# Altium PCB DemetrioGurgel - PCEIoT.PcbDoc (part 1 of 3) (continued)
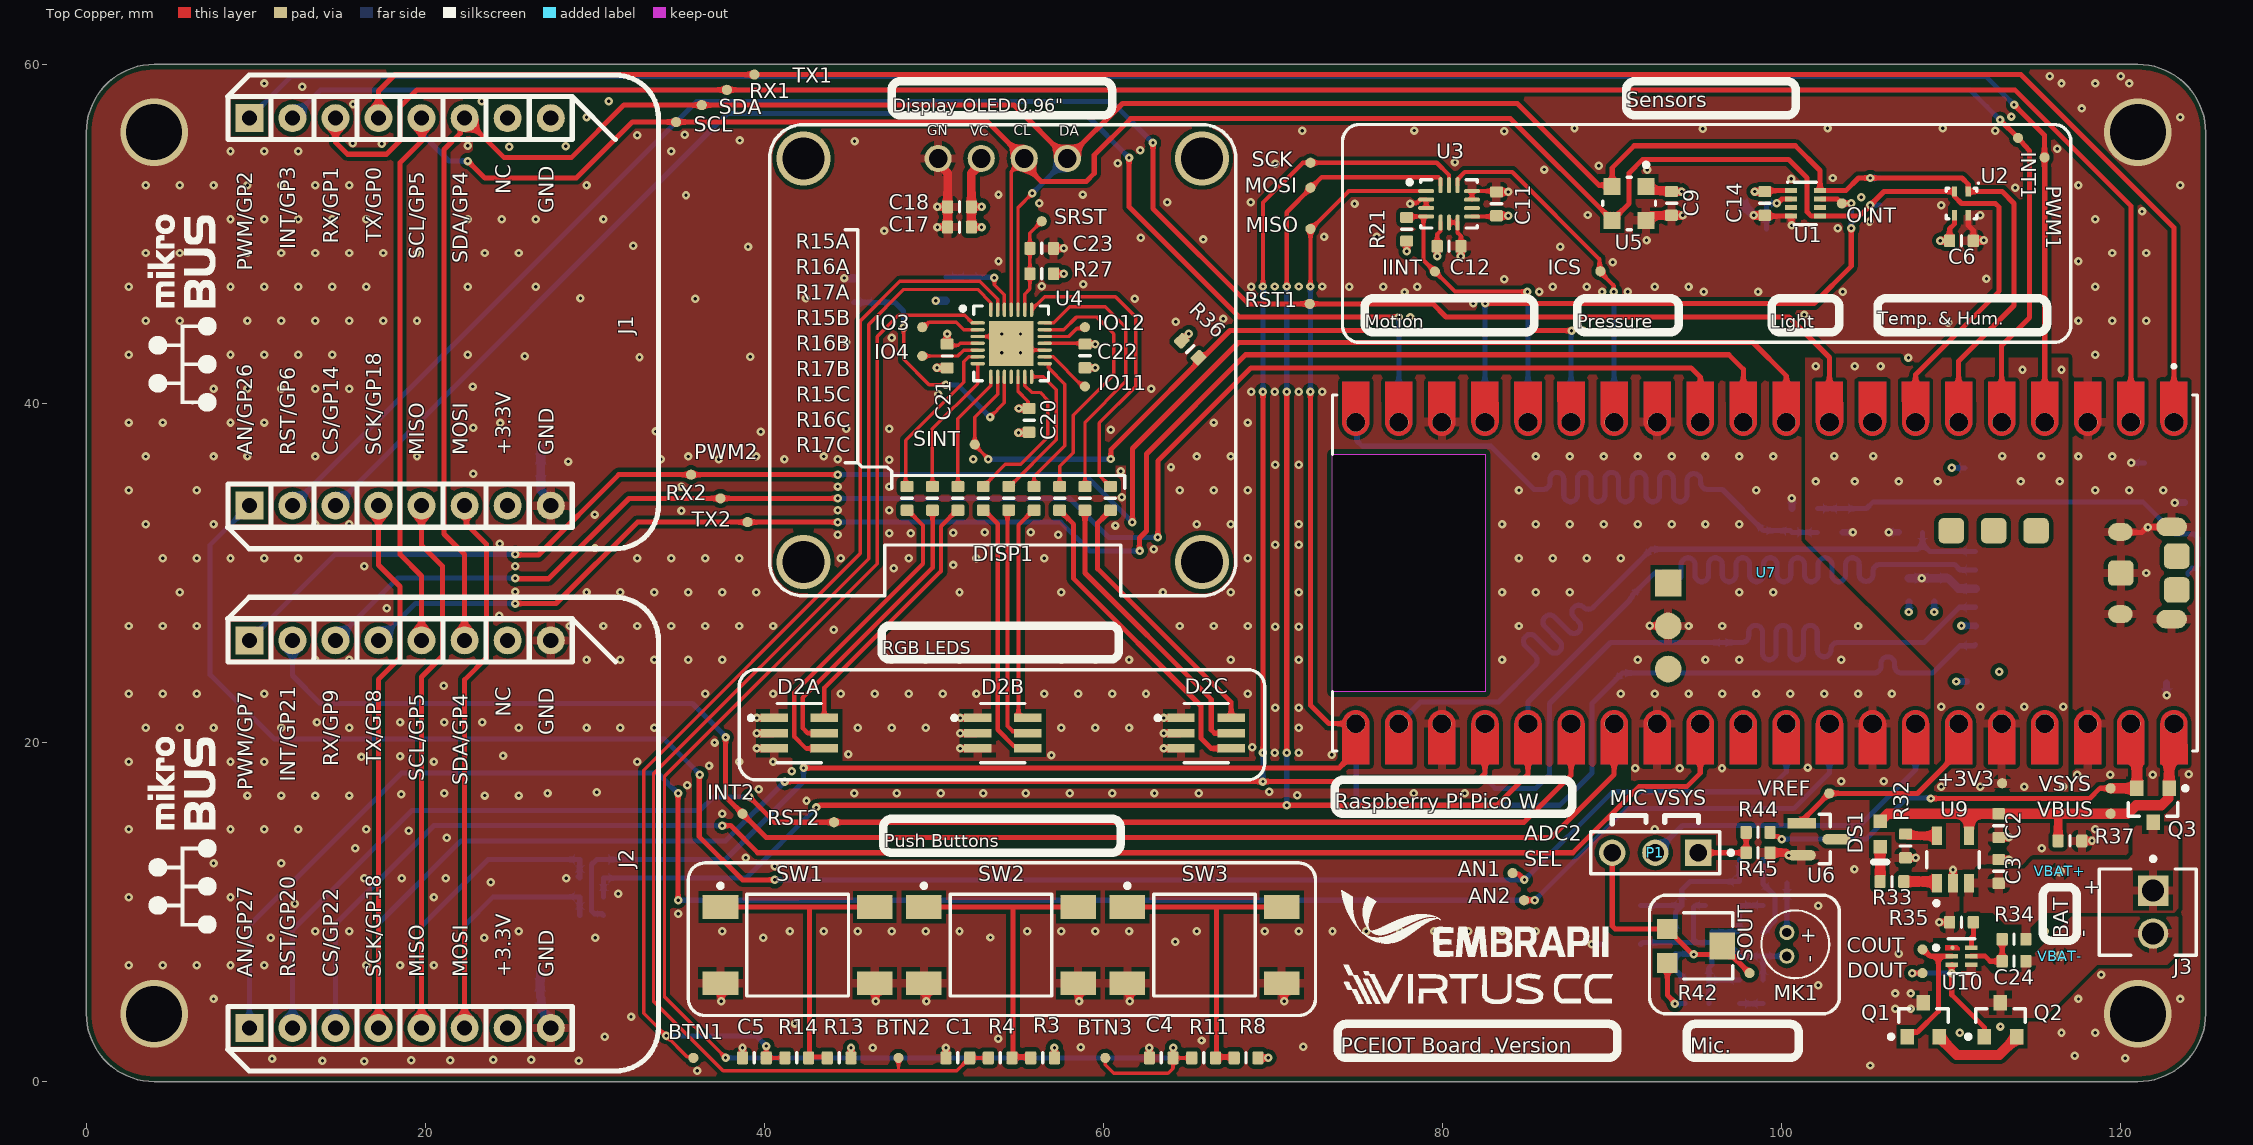
[diagram p0: Top Copper view]
## Components (designator, comment, footprint, x,y, rotation, side; value= is the part's Value field where it differs from the comment)
+3V3 "TPAD6R" TP06R 113,17.6 r270 top
AN1 "TPAD6R" TP06R 84.124,12.3 r90 top
AN2 "TPAD6R" TP06R 84.8,10.7 r90 top
BTN1 "TPAD6R" TP06R 35.8,1.4 r90 top
BTN2 "TPAD6R" TP06R 47.9,1.4 r90 top
BTN3 "TPAD6R" TP06R 60.1,1.4 r90 top
C1 "VJ0603Y103KXAAC" CAPC0603(1608)100_L 51.4,1.4 r0 top value=10nF
C2 "Capacitor 4.7µF +/-20% 10V 0603" CAPC0603(1608)100_L 112.8,15.1 r270 top value=4.7µF
C3 "Capacitor 4.7µF +/-20% 10V 0603" CAPC0603(1608)100_L 112.801,12.4 r90 top value=4.7µF
C4 "VJ0603Y103KXAAC" CAPC0603(1608)100_L 63.4,1.4 r0 top value=10nF
C5 "VJ0603Y103KXAAC" CAPC0603(1608)100_L 39.4,1.4 r0 top value=10nF
C6 "VJ0603Y104MXJCW1BC" CAPC0603(1608)100_L 110.6,49.6 r0 top value=100nF
C7 "VJ0603Y104MXJCW1BC" CAPC0603(1608)100_L 98.9,8.1 r90 bottom value=100nF
C9 "VJ0603Y104MXJCW1BC" CAPC0603(1608)100_L 93.5,51.8 r270 top value=100nF
C11 "VJ0603Y104MXJCW1BC" CAPC0603(1608)100_L 83.175,51.775 r270 top value=100nF
C12 "VJ0603Y104MXJCW1BC" CAPC0603(1608)100_L 80.375,49.275 r180 top value=100nF
C13 "VJ0603Y104MXJCW1BC" CAPC0603(1608)100_L 94.8,10.4 r0 bottom value=100nF
C14 "VJ0603Y104MXJCW1BC" CAPC0603(1608)100_L 98.997,51.8 r270 top value=100nF
C15 "VJ0603Y104MXJCW1BC" CAPC0603(1608)100_L 107.5,29 r270 bottom value=100nF
C16 "VJ0603Y104MXJCW1BC" CAPC0603(1608)100_L 109,29 r270 bottom value=100nF
C17 "VJ0603Y104MXJCW1BC" CAPC0603(1608)100_L 51.5,50.4 r180 top value=100nF
C18 "VJ0603Y104MXJCW1BC" CAPC0603(1608)100_L 51.5,51.6 r180 top value=100nF
C19 "VJ0603Y103KXAAC" CAPC0603(1608)100_L 100.6,33.1 r270 bottom value=10nF
C20 "VJ0603Y104MXJCW1BC" CAPC0603(1608)100_L 55.604,39.004 r270 top value=100nF
C21 "VJ0603Y104MXJCW1BC" CAPC0603(1608)100_L 50.771,42.8 r270 top value=100nF
C22 "VJ0603Y104MXJCW1BC" CAPC0603(1608)100_L 58.904,42.804 r270 top value=100nF
C23 "VJ0603Y104MXJCW1BC" CAPC0603(1608)100_L 56.35,49.15 r0 top value=100nF
C24 "VJ0603Y104MXJCW1BC" CAPC0603(1608)100_L 113.7,7.1 r180 top value=100nF
C25 "VJ0603Y104MXJCW1BC" CAPC0603(1608)100_L 26.1,36.1 r0 bottom value=100nF
C26 "VJ0603Y104MXJCW1BC" CAPC0603(1608)100_L 26.1,37.4 r0 bottom value=100nF
C27 "VJ0603Y104MXJCW1BC" CAPC0603(1608)100_L 26.062,6.439 r0 bottom value=100nF
C28 "VJ0603Y104MXJCW1BC" CAPC0603(1608)100_L 26.062,5.003 r0 bottom value=100nF
C29 "VJ0603Y104MXJCW1BC" CAPC0603(1608)100_L 99.6,10.4 r0 bottom value=100nF
C30 "C0603C101K5GACTU" CAPC0603(1608)100_L 95,6 r180 bottom value=100pF
C31 "GRM188R60J106ME47D" CAPC0603(1608)100_L 98.9,5.3 r270 bottom value=10uF
CLK "TPAD6R" TP06R 96.52,25.9 r90 bottom
COUT "TPAD6R" TP06R 108.3,7.8 r270 top
CS "TPAD6R" TP06R 92.3,31.4 r90 bottom
D2A "ASMT-YTB7-0AA02" FP-PLCC-6-MFG 42.05,20.55 r0 top locked (schematic designator D2)
D2B "ASMT-YTB7-0AA02" FP-PLCC-6-MFG 54.05,20.55 r0 top locked (schematic designator D2)
D2C "ASMT-YTB7-0AA02" FP-PLCC-6-MFG 66.05,20.55 r0 top locked (schematic designator D2)
DI "TPAD6R" TP06R 91.2,28.7 r180 bottom
DISP1 "0.96” Display Module" "New footprint 1"#1 54.05,54.45 r0 top
DO "TPAD6R" TP06R 90.6,24.1 r90 bottom
DOUT "TPAD6R" TP06R 108.3,6.4 r90 top
DS1 "19-217/R6C-AL1M2VY/3T" EVRL-0603-2_V 105.8,14.6 r270 top
DT "TPAD6R" TP06R 98.926,32.499 r90 bottom
ICS "TPAD6R" TP06R 89.3,47.8 r90 top
IINT "TPAD6R" TP06R 79.541,47.784 r90 top
INT1 "TPAD6R" TP06R 113.934,55.666 r90 top
INT2 "TPAD6R" TP06R 38.7,15.8 r90 top
IO3 "TPAD6R" TP06R 49.3,44.5 r90 top
IO4 "TPAD6R" TP06R 49.3,42.8 r90 top
IO11 "TPAD6R" TP06R 58.9,41 r90 top
IO12 "TPAD6R" TP06R 58.9,44.5 r90 top
J1 "MikroBus Connector" "New footprint 1"#2 18.5,45.4 r90 top locked
J2 "MikroBus Connector" "New footprint 1"#2 18.5,14.6 r90 top locked
J3 "640456-2" TECO-640456-2_V 121.9,10 r90 top
L1 "BLM21PG331SN1D" INDC2013X105X50ML20T20 90.7,10.4 r180 bottom
L2 "BLM21PG331SN1D" INDC2013X105X50ML20T20 90.7,8.1 r180 bottom
MISO "TPAD6R" TP06R 72.2,50.3 r180 top
MK1 "CMEJ-0415-42-LP" MIC_CMEJ-0415-42-LP 100.8,8.1 r270 top
MOSI "TPAD6R" TP06R 72.2,52.725 r0 top
NT1 "Net Tie" "New footprint 1"#3 77.412,21.113 r45 bottom net-tie
NT2 "Net Tie" "New footprint 1"#3 82.5,19.57 r270 bottom net-tie
NT3 "Net Tie" "New footprint 1"#3 85.027,21.118 r90 bottom net-tie
NT4 "Net Tie" "New footprint 1"#3 74.9,19.6 r270 bottom net-tie
OINT "TPAD6R" TP06R 103.543,51.8 r90 top
P1 "22-28-4033" MOLX-22-28-4033_V 92.54,13.5 r180 top
PWM1 "TPAD6R" TP06R 115.5,54.516 r90 top
PWM2 "TPAD6R" TP06R 35.664,35.8 r90 top
Q1 "NTRV4101PT1G" ONSC-SOT-23-3-318-08_V 108.35,3.65 r90 top
Q2 "NTRV4101PT1G" ONSC-SOT-23-3-318-08_V 112.9,3.65 r90 top
Q3 "NTRV4101PT1G" ONSC-SOT-23-3-318-08_V 121.9,16.3 r270 top
R1 "Resistor 1k +/-1% 0603 100 mW" RESC0603(1608)_L 98.2,13.1 r180 bottom value=1k
R2 "Resistor 10k +/-1% 0603 100 mW" RESC0603(1608)_L 107.6,32.4 r180 bottom value=10k
R3 "Resistor 10k +/-1% 0603 100 mW" RESC0603(1608)_L 56.4,1.4 r0 top value=10k
R4 "Resistor 10k +/-1% 0603 100 mW" RESC0603(1608)_L 53.9,1.4 r180 top value=10k
R5 "Resistor 0R +/- 5% 0603 100 mW" RESC0603(1608)_L 29.8,13.1 r180 bottom value=0
R6 "Resistor 0R +/- 5% 0603 100 mW" RESC0603(1608)_L 29.8,12 r180 bottom value=0
R7 "Resistor 0R +/- 5% 0603 100 mW" RESC0603(1608)_L 29.8,9.8 r180 bottom value=0
R8 "Resistor 10k +/-1% 0603 100 mW" RESC0603(1608)_L 68.4,1.4 r0 top value=10k
R9 "Resistor 0R +/- 5% 0603 100 mW" RESC0603(1608)_L 29.8,10.9 r180 bottom value=0
R10 "Resistor 0R +/- 5% 0603 100 mW" RESC0603(1608)_L 98.35,50.3 r0 bottom value=0
R11 "Resistor 10k +/-1% 0603 100 mW" RESC0603(1608)_L 65.9,1.4 r180 top value=10k
R12 "Resistor 10k +/-1% 0603 100 mW" RESC0603(1608)_L 102.697,51.8 r0 bottom value=10k
R13 "Resistor 10k +/-1% 0603 100 mW" RESC0603(1608)_L 44.4,1.4 r0 top value=10k
R14 "Resistor 10k +/-1% 0603 100 mW" RESC0603(1608)_L 41.9,1.4 r180 top value=10k
R15A "CRCW0603150RFKEA" RESC0603(1608)_L 48.404,34.404 r90 top value=150R (schematic designator R15)
R15B "CRCW0603150RFKEA" RESC0603(1608)_L 52.904,34.404 r90 top value=150R (schematic designator R15)
R15C "CRCW0603150RFKEA" RESC0603(1608)_L 57.404,34.404 r90 top value=150R (schematic designator R15)
R16A "CRCW060350R0FKEA" RESC0603(1608)_L 49.904,34.404 r90 top value=50R (schematic designator R16)
R16B "CRCW060350R0FKEA" RESC0603(1608)_L 54.404,34.404 r90 top value=50R (schematic designator R16)
R16C "CRCW060350R0FKEA" RESC0603(1608)_L 58.904,34.404 r90 top value=50R (schematic designator R16)
R17A "CRCW060350R0FKEA" RESC0603(1608)_L 51.404,34.404 r90 top value=50R (schematic designator R17)
R17B "CRCW060350R0FKEA" RESC0603(1608)_L 55.904,34.404 r90 top value=50R (schematic designator R17)
R17C "CRCW060350R0FKEA" RESC0603(1608)_L 60.404,34.404 r90 top value=50R (schematic designator R17)
R18 "Resistor 10k +/-1% 0603 100 mW" RESC0603(1608)_L 103.6,33.1 r270 bottom value=10k
R19 "Resistor 0R +/- 5% 0603 100 mW" RESC0603(1608)_L 52.103,46.762 r90 bottom value=0
R20 "Resistor 0R +/- 5% 0603 100 mW" RESC0603(1608)_L 98.35,51.8 r180 bottom value=0
R21 "Resistor 10k +/-1% 0603 100 mW" RESC0603(1608)_L 77.875,50.275 r90 top value=10k
R22 "Resistor 10k +/-1% 0603 100 mW" RESC0603(1608)_L 106.497,51.7 r0 bottom value=10k
R23 "Resistor 10k +/-1% 0603 100 mW" RESC0603(1608)_L 106.497,53.3 r0 bottom value=10k
R24 "Resistor 0R +/- 5% 0603 100 mW" RESC0603(1608)_L 46.7,46.7 r270 bottom value=0
R26 "Resistor 10k +/-1% 0603 100 mW" RESC0603(1608)_L 102.1,33.1 r90 bottom value=10k
R27 "Resistor 10k +/-1% 0603 100 mW" RESC0603(1608)_L 56.35,47.65 r0 top value=10k
R30 "Resistor 0R +/- 5% 0603 100 mW" RESC0603(1608)_L 50.703,46.762 r270 bottom value=0
R31 "Resistor 0R +/- 5% 0603 100 mW" RESC0603(1608)_L 45.3,46.7 r90 bottom value=0
R32 "ERJ-3EKF2001V" RESC0603(1608)_L 107.3,13.9 r90 top value=2kR
R33 "CRCW0603470RJNEA" RESC0603(1608)_L 106.5,11.8 r180 top value=470R
R34 "ERJ-3EKF3300V" RESC0603(1608)_L 113.7,8.4 r0 top value=330R
R35 "CRCW06032K20FKEA" RESC0603(1608)_L 110.6,9.4 r0 top value=2.2kR
R36 "Resistor 10k +/-1% 0603 100 mW" RESC0603(1608)_L 65.1,43.2 r135 top value=10k
R37 "Resistor 10k +/-1% 0603 100 mW" RESC0603(1608)_L 117,14.2 r0 top value=10k
R38 "Resistor 1k +/-1% 0603 100 mW" RESC0603(1608)_L 99.6,11.7 r180 bottom value=1k
R39 "Resistor 100k +/-1% 0603 100 mW" RESC0603(1608)_L 97.5,11.1 r90 bottom value=100k
R40 "Resistor 100k +/-1% 0603 100 mW" RESC0603(1608)_L 97.5,8.1 r90 bottom value=100k
R41 "Resistor 1k +/-1% 0603 100 mW" RESC0603(1608)_L 97.5,5.3 r90 bottom value=1k
R42 "TC33X-2-104E" FP-TC33X-2-MFG 94.925,8 r270 top value=100kR
R43 "CRCW06032K20FKEA" RESC0603(1608)_L 95,4.6 r180 bottom value=2.2kR
R44 "Resistor 10k +/-1% 0603 100 mW" RESC0603(1608)_L 98.6,14.7 r0 top value=10k
R45 "Resistor 1k +/-1% 0603 100 mW" RESC0603(1608)_L 98.6,13.5 r180 top value=1k
RST1 "TPAD6R" TP06R 72.161,45.875 r180 top
RST2 "TPAD6R" TP06R 44.1,15.3 r90 top
RX1 "TPAD6R" TP06R 37.778,58.5 r90 top
RX2 "TPAD6R" TP06R 37.4,34.4 r90 top
SCK "TPAD6R" TP06R 72.2,54.2 r180 top
SCL "TPAD6R" TP06R 34.783,56.6 r90 top
SDA "TPAD6R" TP06R 36.294,57.6 r90 top
SINT "TPAD6R" TP06R 52.4,37.581 r90 top
SKT1 "5033981892" MOLX-5033981892_V 117.7,30 r270 bottom locked
SOUT "TPAD6R" TP06R 98.1,6.4 r270 top
SRST "TPAD6R" TP06R 56.35,50.75 r90 top
SW1 "FSM4JSMA" TECO-FSM4JSMA_V 41.95,8.05 r90 top
SW2 "FSM4JSMA" TECO-FSM4JSMA_V 53.95,8.05 r90 top
SW3 "FSM4JSMA" TECO-FSM4JSMA_V 65.95,8.05 r90 top
TX1 "TPAD6R" TP06R 39.4,59.4 r90 top
TX2 "TPAD6R" TP06R 38.999,33 r90 top
U1 "OPT4001DTSR" SON50P130X60-8N 101.397,51.8 r0 top
U2 "SHT40I-AD1B-R3" QFN80P150X150X55-4N 110.6,51.8 r270 top
U3 "ICM-42670-P" QFN50P300X250X81-14N 80.375,51.775 r0 top
U4 "SX1509BIULTRT" QFN40P410X410X60_HS-29N 54.55,43.55 r0 top locked
U5 "MS563702BA03-50" FP-MS563702BA03-50-MFG 91,51.8 r270 top
U6 "LM4040DYM3-2.5-TR" FP-SOT23-3LD-PL-1-IPC_A 102.2,14.3 r0 top
U7 "SC0918" MODULE_SC0918 74.872,38.893 r270 top locked
U8 "MAX4466EXK-T" SOT65P200X110-5N 94.8,8.2 r180 bottom
U9 "MCP73831T-2ACI/OT" FP-C04-091-OT-MFG 110.1,13.1 r90 top
U10 "BQ29700DSER" FP-DSE0006A-MFG 110.6,7.4 r0 top
VBAT+ "TPAD6R" TP06R 116.4,12.4 r90 top
VBAT- "TPAD6R" TP06R 116.4,7.4 r90 top
VBUS "TPAD6R" TP06R 119.4,15.8 r90 top
VREF "TPAD6R" TP06R 102.8,17 r90 top
VSYS "TPAD6R" TP06R 119.4,17.3 r90 top

## Footprints (in the part's own frame and the unit in brackets; to place one, negate y for a bottom-side part, rotate by r counter-clockwise, add the part's x,y. Pads: shape width x height; smd on the part's side, far side on the other; paste and mask are expansions set on the pad)
CAPC0603(1608)100_L [mm] "Chip Capacitor, Body 1.6x0.8mm, Height 1.0mm, IPC High Density"
  rrect25% 0.66x0.76 smd: 1(-0.7,0) 2(0.7,0)
  silkscreen extent 0,-0.3 0,0.3, body extent -0.8,-0.4 0.8,0.4, height 0.95
EVRL-0603-2_V [mm] "SMD, 2-Leads, Body 1.6x0.8mm"
  rect 0.8x0.8 smd: 1(-0.75,0) 2(0.75,0)
  silkscreen extent 1.65,-0.4 1.65,0.4, body extent -0.8,-0.4 0.8,0.4, height 0.5
FP-C04-091-OT-MFG [mm]
  rect 1.1x0.6 smd paste+0 mask+0: 1(-1.4,0.95) 2(-1.4,0) 3(-1.4,-0.95) 4(1.4,-0.95) 5(1.4,0.95)
  silkscreen extent -2.7,-1.55 0.48,1.55, body extent -1.6,-1.55 1.6,1.55, height 1.45
FP-DSE0006A-MFG [mm]
  round 0.252 smd paste-1000 mask+0: 1(-0.525,0.5)
  rect 0.75x0.28 smd paste-1000 mask+0: 2(-0.575,0) 3(-0.575,-0.5) 4(0.575,-0.5) 5(0.575,0) 6(0.575,0.5)
  Top Copper region: -0.95,0.64 -0.24,0.64 -0.1,0.5 -0.1,0.36 -0.95,0.36
  silkscreen extent -1.62,-1.02 0.77,1.02, body extent -1.05,-0.88 1.05,0.87, height 0.25
FP-MS563702BA03-50-MFG [mm]
  rect 1x1 smd paste+0 mask+0.001: 1(-1,1) 2(-1,-1) 3(1,-1) 4(1,1)
  silkscreen extent -2.4,-1.55 1.55,1.55, body extent -1.65,-1.65 1.65,1.65, height 0.25
FP-PLCC-6-MFG [mm]
  rect 1.6x0.5 smd paste+0 mask+0.05: 1(-1.475,0.9) 2(-1.475,0) 3(-1.475,-0.9) 4(1.475,-0.9) 5(1.475,0) 6(1.475,0.9)
  silkscreen extent -2.97,-1.75 1.3,1.75, body extent -2.37,-1.6 2.37,1.6, height 0.25
FP-SOT23-3LD-PL-1-IPC_A [mm]
  rect 1.684x0.627 smd paste+0 mask+0: 1(-1.03,0.95)
  rrect100% 1.684x0.627 smd paste+0 mask+0: 2(-1.03,-0.95) 3(1.03,0)
  silkscreen extent 0,-1.46 0.65,1.46, body extent -2.37,-1.96 2.37,1.96, height 0.25
FP-TC33X-2-MFG [mm]
  rect 1.2x1.2 smd paste+0 mask+0: 1(-1,-1.675) 3(1,-1.675)
  rect 1.6x1.5 smd paste+0 mask+0: 2(0,1.575)
  silkscreen extent -1.95,-0.7 1.95,2.17, body extent -1.8,-1.9 1.8,1.9, height 1.5
INDC2013X105X50ML20T20 [mm] "Chip Inductor, 2-Leads, Body 2.2x1.45mm, IPC Low Density"
  rect 1.33x1.57 smd: 1(-0.985,0) 2(0.985,0)
  body extent -1.1,-0.72 1.1,0.72, height 1.05
MIC_CMEJ-0415-42-LP [mm]
  round 0.9 hole 0.55: N(0.7,-0.5) P(-0.7,-0.5)
  silkscreen extent -2,-2 2,2, body extent -2,-2 2,2, height 1.88
MODULE_SC0918 [mm]
  round 1.125 hole 1.1 paste+0: 1(0,48.26) 2(0,45.72) 3(0,43.18) 4(0,40.64) 5(0,38.1) 6(0,35.56) 7(0,33.02) 8(0,30.48) 9(0,27.94) 10(0,25.4) 11(0,22.86) 12(0,20.32) 13(0,17.78) 14(0,15.24) 15(0,12.7) 16(0,10.16) 17(0,7.62) 18(0,5.08) 19(0,2.54) 20(0,0) 21(17.78,0) 22(17.78,2.54) 23(17.78,5.08) 24(17.78,7.62) 25(17.78,10.16) 26(17.78,12.7) 27(17.78,15.24) 28(17.78,17.78) 29(17.78,20.32) 30(17.78,22.86) 31(17.78,25.4) 32(17.78,27.94) 33(17.78,30.48) 34(17.78,33.02) 35(17.78,35.56) 36(17.78,38.1) 37(17.78,40.64) 38(17.78,43.18) 39(17.78,45.72) 40(17.78,48.26)
  oval 1.1x1.8 smd: A(6.168,48.128) B(11.618,48.128)
  oval 1.05x1.45 smd: C(6.468,45.098) D(11.318,45.098)
  rect 1.575x1.575 smd: E(9.477,18.428)
  round 1.575 smd: F(12.017,18.428) G(14.557,18.428)
  rrect40% 1.5x1.5 smd: TP1(8.893,45.128) TP2(9.893,48.428) TP3(7.893,48.428) TP4(6.393,40.128) TP5(6.393,37.628) TP6(6.393,35.128)
  Top Copper region: 0,32.22 -2.397,32.218 -2.397,33.818 0,33.82 0.306,33.759 0.566,33.586 0.739,33.326 0.8,33.02 0.8,33.02 0.739,32.714 0.566,32.454 0.306,32.281 0,32.22
  Top Copper region: 17.78,38.9 20.177,38.902 20.177,37.302 17.78,37.3 17.474,37.361 17.214,37.534 17.041,37.794 16.98,38.1 16.98,38.1 17.041,38.406 17.214,38.666 17.474,38.839 17.78,38.9
  Top Copper region: 0,34.76 -2.397,34.758 -2.397,36.358 0,36.36 0.306,36.299 0.566,36.126 0.739,35.866 0.8,35.56 0.8,35.56 0.739,35.254 0.566,34.994 0.306,34.821 0,34.76
  Top Copper region: 17.78,13.5 20.177,13.502 20.177,11.902 17.78,11.9 17.474,11.961 17.214,12.134 17.041,12.394 16.98,12.7 16.98,12.7 17.041,13.006 17.214,13.266 17.474,13.439 17.78,13.5
  Top Copper region: 17.78,10.96 20.177,10.962 20.177,9.362 17.78,9.36 17.474,9.421 17.214,9.594 17.041,9.854 16.98,10.16 16.98,10.16 17.041,10.466 17.214,10.726 17.474,10.899 17.78,10.96
  Top Copper region: 17.78,8.42 20.177,8.422 20.177,6.822 17.78,6.82 17.474,6.881 17.214,7.054 17.041,7.314 16.98,7.62 16.98,7.62 17.041,7.926 17.214,8.186 17.474,8.359 17.78,8.42
  Top Copper region: 17.78,5.88 20.177,5.882 20.177,4.282 17.78,4.28 17.474,4.341 17.214,4.514 17.041,4.774 16.98,5.08 16.98,5.08 17.041,5.386 17.214,5.646 17.474,5.819 17.78,5.88
  Top Copper region: 17.78,3.34 20.177,3.342 20.177,1.742 17.78,1.74 17.474,1.801 17.214,1.974 17.041,2.234 16.98,2.54 16.98,2.54 17.041,2.846 17.214,3.106 17.474,3.279 17.78,3.34
  Top Copper region: 0,-0.8 -2.397,-0.802 -2.397,0.798 0,0.8 0.306,0.739 0.566,0.566 0.739,0.306 0.8,0 0.8,0 0.739,-0.306 0.566,-0.566 0.306,-0.739 0,-0.8
  Top Copper region: 0,1.74 -2.397,1.738 -2.397,3.338 0,3.34 0.306,3.279 0.566,3.106 0.739,2.846 0.8,2.54 0.8,2.54 0.739,2.234 0.566,1.974 0.306,1.801 0,1.74
  Top Copper region: 0,4.28 -2.397,4.278 -2.397,5.878 0,5.88 0.306,5.819 0.566,5.646 0.739,5.386 0.8,5.08 0.8,5.08 0.739,4.774 0.566,4.514 0.306,4.341 0,4.28
  Top Copper region: 0,6.82 -2.397,6.818 -2.397,8.418 0,8.42 0.306,8.359 0.566,8.186 0.739,7.926 0.8,7.62 0.8,7.62 0.739,7.314 0.566,7.054 0.306,6.881 0,6.82
  Top Copper region: 0,9.36 -2.397,9.358 -2.397,10.958 0,10.96 0.306,10.899 0.566,10.726 0.739,10.466 0.8,10.16 0.8,10.16 0.739,9.854 0.566,9.594 0.306,9.421 0,9.36
  Top Copper region: 0,11.9 -2.397,11.898 -2.397,13.498 0,13.5 0.306,13.439 0.566,13.266 0.739,13.006 0.8,12.7 0.8,12.7 0.739,12.394 0.566,12.134 0.306,11.961 0,11.9
  Top Copper region: 0,14.44 -2.397,14.438 -2.397,16.038 0,16.04 0.306,15.979 0.566,15.806 0.739,15.546 0.8,15.24 0.8,15.24 0.739,14.934 0.566,14.674 0.306,14.501 0,14.44
  Top Copper region: 0,16.98 -2.397,16.978 -2.397,18.578 0,18.58 0.306,18.519 0.566,18.346 0.739,18.086 0.8,17.78 0.8,17.78 0.739,17.474 0.566,17.214 0.306,17.041 0,16.98
  Top Copper region: 0,19.52 -2.397,19.518 -2.397,21.118 0,21.12 0.306,21.059 0.566,20.886 0.739,20.626 0.8,20.32 0.8,20.32 0.739,20.014 0.566,19.754 0.306,19.581 0,19.52
  Top Copper region: 0,22.06 -2.397,22.058 -2.397,23.658 0,23.66 0.306,23.599 0.566,23.426 0.739,23.166 0.8,22.86 0.8,22.86 0.739,22.554 0.566,22.294 0.306,22.121 0,22.06
  Top Copper region: 0,24.6 -2.397,24.598 -2.397,26.198 0,26.2 0.306,26.139 0.566,25.966 0.739,25.706 0.8,25.4 0.8,25.4 0.739,25.094 0.566,24.834 0.306,24.661 0,24.6
  Top Copper region: 0,27.14 -2.397,27.138 -2.397,28.738 0,28.74 0.306,28.679 0.566,28.506 0.739,28.246 0.8,27.94 0.8,27.94 0.739,27.634 0.566,27.374 0.306,27.201 0,27.14
  Top Copper region: 0,29.68 -2.397,29.678 -2.397,31.278 0,31.28 0.306,31.219 0.566,31.046 0.739,30.786 0.8,30.48 0.8,30.48 0.739,30.174 0.566,29.914 0.306,29.741 0,29.68
  Top Copper region: 0,37.3 -2.397,37.298 -2.397,38.898 0,38.9 0.306,38.839 0.566,38.666 0.739,38.406 0.8,38.1 0.8,38.1 0.739,37.794 0.566,37.534 0.306,37.361 0,37.3
  Top Copper region: 0,39.84 -2.397,39.838 -2.397,41.438 0,41.44 0.306,41.379 0.566,41.206 0.739,40.946 0.8,40.64 0.8,40.64 0.739,40.334 0.566,40.074 0.306,39.901 0,39.84
  Top Copper region: 0,42.38 -2.397,42.378 -2.397,43.978 0,43.98 0.306,43.919 0.566,43.746 0.739,43.486 0.8,43.18 0.8,43.18 0.739,42.874 0.566,42.614 0.306,42.441 0,42.38
  Top Copper region: 0,44.92 -2.397,44.918 -2.397,46.518 0,46.52 0.306,46.459 0.566,46.286 0.739,46.026 0.8,45.72 0.8,45.72 0.739,45.414 0.566,45.154 0.306,44.981 0,44.92
  Top Copper region: 17.78,16.04 20.177,16.042 20.177,14.442 17.78,14.44 17.474,14.501 17.214,14.674 17.041,14.934 16.98,15.24 16.98,15.24 17.041,15.546 17.214,15.806 17.474,15.979 17.78,16.04
  Top Copper region: 17.78,18.58 20.177,18.582 20.177,16.982 17.78,16.98 17.474,17.041 17.214,17.214 17.041,17.474 16.98,17.78 16.98,17.78 17.041,18.086 17.214,18.346 17.474,18.519 17.78,18.58
  Top Copper region: 17.78,21.12 20.177,21.122 20.177,19.522 17.78,19.52 17.474,19.581 17.214,19.754 17.041,20.014 16.98,20.32 16.98,20.32 17.041,20.626 17.214,20.886 17.474,21.059 17.78,21.12
  Top Copper region: 17.78,23.66 20.177,23.662 20.177,22.062 17.78,22.06 17.474,22.121 17.214,22.294 17.041,22.554 16.98,22.86 16.98,22.86 17.041,23.166 17.214,23.426 17.474,23.599 17.78,23.66
  Top Copper region: 17.78,26.2 20.177,26.202 20.177,24.602 17.78,24.6 17.474,24.661 17.214,24.834 17.041,25.094 16.98,25.4 16.98,25.4 17.041,25.706 17.214,25.966 17.474,26.139 17.78,26.2
  Top Copper region: 17.78,28.74 20.177,28.742 20.177,27.142 17.78,27.14 17.474,27.201 17.214,27.374 17.041,27.634 16.98,27.94 16.98,27.94 17.041,28.246 17.214,28.506 17.474,28.679 17.78,28.74
  Top Copper region: 17.78,31.28 20.177,31.282 20.177,29.682 17.78,29.68 17.474,29.741 17.214,29.914 17.041,30.174 16.98,30.48 16.98,30.48 17.041,30.786 17.214,31.046 17.474,31.219 17.78,31.28
  Top Copper region: 17.78,33.82 20.177,33.822 20.177,32.222 17.78,32.22 17.474,32.281 17.214,32.454 17.041,32.714 16.98,33.02 16.98,33.02 17.041,33.326 17.214,33.586 17.474,33.759 17.78,33.82
  Top Copper region: 17.78,36.36 20.177,36.362 20.177,34.762 17.78,34.76 17.474,34.821 17.214,34.994 17.041,35.254 16.98,35.56 16.98,35.56 17.041,35.866 17.214,36.126 17.474,36.299 17.78,36.36
  Top Copper region: 17.78,41.44 20.177,41.442 20.177,39.842 17.78,39.84 17.474,39.901 17.214,40.074 17.041,40.334 16.98,40.64 16.98,40.64 17.041,40.946 17.214,41.206 17.474,41.379 17.78,41.44
  Top Copper region: 17.78,43.98 20.177,43.982 20.177,42.382 17.78,42.38 17.474,42.441 17.214,42.614 17.041,42.874 16.98,43.18 16.98,43.18 17.041,43.486 17.214,43.746 17.474,43.919 17.78,43.98
  Top Copper region: 17.78,46.52 20.177,46.522 20.177,44.922 17.78,44.92 17.474,44.981 17.214,45.154 17.041,45.414 16.98,45.72 16.98,45.72 17.041,46.026 17.214,46.286 17.474,46.459 17.78,46.52
  Top Copper region: 17.78,49.06 20.177,49.062 20.177,47.462 17.78,47.46 17.474,47.521 17.214,47.694 17.041,47.954 16.98,48.26 16.98,48.26 17.041,48.566 17.214,48.826 17.474,48.999 17.78,49.06
  Top Copper region: 17.78,0.8 20.177,0.802 20.177,-0.798 17.78,-0.8 17.474,-0.739 17.214,-0.566 17.041,-0.306 16.98,0 16.98,0 17.041,0.306 17.214,0.566 17.474,0.739 17.78,0.8
  Top Copper region: 0,47.46 -2.397,47.458 -2.397,49.058 0,49.06 0.306,48.999 0.566,48.826 0.739,48.566 0.8,48.26 0.8,48.26 0.739,47.954 0.566,47.694 0.306,47.521 0,47.46
  Bottom Copper region: 0,32.22 -2.397,32.218 -2.397,33.818 0,33.82 0.306,33.759 0.566,33.586 0.739,33.326 0.8,33.02 0.8,33.02 0.739,32.714 0.566,32.454 0.306,32.281 0,32.22
  Bottom Copper region: 17.78,38.9 20.177,38.902 20.177,37.302 17.78,37.3 17.474,37.361 17.214,37.534 17.041,37.794 16.98,38.1 16.98,38.1 17.041,38.406 17.214,38.666 17.474,38.839 17.78,38.9
  Bottom Copper region: 0,34.76 -2.397,34.758 -2.397,36.358 0,36.36 0.306,36.299 0.566,36.126 0.739,35.866 0.8,35.56 0.8,35.56 0.739,35.254 0.566,34.994 0.306,34.821 0,34.76
  Bottom Copper region: 17.78,13.5 20.177,13.502 20.177,11.902 17.78,11.9 17.474,11.961 17.214,12.134 17.041,12.394 16.98,12.7 16.98,12.7 17.041,13.006 17.214,13.266 17.474,13.439 17.78,13.5
  Bottom Copper region: 17.78,10.96 20.177,10.962 20.177,9.362 17.78,9.36 17.474,9.421 17.214,9.594 17.041,9.854 16.98,10.16 16.98,10.16 17.041,10.466 17.214,10.726 17.474,10.899 17.78,10.96
  Bottom Copper region: 17.78,8.42 20.177,8.422 20.177,6.822 17.78,6.82 17.474,6.881 17.214,7.054 17.041,7.314 16.98,7.62 16.98,7.62 17.041,7.926 17.214,8.186 17.474,8.359 17.78,8.42
  Bottom Copper region: 17.78,5.88 20.177,5.882 20.177,4.282 17.78,4.28 17.474,4.341 17.214,4.514 17.041,4.774 16.98,5.08 16.98,5.08 17.041,5.386 17.214,5.646 17.474,5.819 17.78,5.88
  Bottom Copper region: 17.78,3.34 20.177,3.342 20.177,1.742 17.78,1.74 17.474,1.801 17.214,1.974 17.041,2.234 16.98,2.54 16.98,2.54 17.041,2.846 17.214,3.106 17.474,3.279 17.78,3.34
  Bottom Copper region: 0,-0.8 -2.397,-0.802 -2.397,0.798 0,0.8 0.306,0.739 0.566,0.566 0.739,0.306 0.8,0 0.8,0 0.739,-0.306 0.566,-0.566 0.306,-0.739 0,-0.8
  Bottom Copper region: 0,1.74 -2.397,1.738 -2.397,3.338 0,3.34 0.306,3.279 0.566,3.106 0.739,2.846 0.8,2.54 0.8,2.54 0.739,2.234 0.566,1.974 0.306,1.801 0,1.74
  Bottom Copper region: 0,4.28 -2.397,4.278 -2.397,5.878 0,5.88 0.306,5.819 0.566,5.646 0.739,5.386 0.8,5.08 0.8,5.08 0.739,4.774 0.566,4.514 0.306,4.341 0,4.28
  Bottom Copper region: 0,6.82 -2.397,6.818 -2.397,8.418 0,8.42 0.306,8.359 0.566,8.186 0.739,7.926 0.8,7.62 0.8,7.62 0.739,7.314 0.566,7.054 0.306,6.881 0,6.82
  Bottom Copper region: 0,9.36 -2.397,9.358 -2.397,10.958 0,10.96 0.306,10.899 0.566,10.726 0.739,10.466 0.8,10.16 0.8,10.16 0.739,9.854 0.566,9.594 0.306,9.421 0,9.36
  Bottom Copper region: 0,11.9 -2.397,11.898 -2.397,13.498 0,13.5 0.306,13.439 0.566,13.266 0.739,13.006 0.8,12.7 0.8,12.7 0.739,12.394 0.566,12.134 0.306,11.961 0,11.9
  Bottom Copper region: 0,14.44 -2.397,14.438 -2.397,16.038 0,16.04 0.306,15.979 0.566,15.806 0.739,15.546 0.8,15.24 0.8,15.24 0.739,14.934 0.566,14.674 0.306,14.501 0,14.44
  Bottom Copper region: 0,16.98 -2.397,16.978 -2.397,18.578 0,18.58 0.306,18.519 0.566,18.346 0.739,18.086 0.8,17.78 0.8,17.78 0.739,17.474 0.566,17.214 0.306,17.041 0,16.98
  Bottom Copper region: 0,19.52 -2.397,19.518 -2.397,21.118 0,21.12 0.306,21.059 0.566,20.886 0.739,20.626 0.8,20.32 0.8,20.32 0.739,20.014 0.566,19.754 0.306,19.581 0,19.52
  Bottom Copper region: 0,22.06 -2.397,22.058 -2.397,23.658 0,23.66 0.306,23.599 0.566,23.426 0.739,23.166 0.8,22.86 0.8,22.86 0.739,22.554 0.566,22.294 0.306,22.121 0,22.06
  Bottom Copper region: 0,24.6 -2.397,24.598 -2.397,26.198 0,26.2 0.306,26.139 0.566,25.966 0.739,25.706 0.8,25.4 0.8,25.4 0.739,25.094 0.566,24.834 0.306,24.661 0,24.6
  Bottom Copper region: 0,27.14 -2.397,27.138 -2.397,28.738 0,28.74 0.306,28.679 0.566,28.506 0.739,28.246 0.8,27.94 0.8,27.94 0.739,27.634 0.566,27.374 0.306,27.201 0,27.14
  Bottom Copper region: 0,29.68 -2.397,29.678 -2.397,31.278 0,31.28 0.306,31.219 0.566,31.046 0.739,30.786 0.8,30.48 0.8,30.48 0.739,30.174 0.566,29.914 0.306,29.741 0,29.68
  Bottom Copper region: 0,37.3 -2.397,37.298 -2.397,38.898 0,38.9 0.306,38.839 0.566,38.666 0.739,38.406 0.8,38.1 0.8,38.1 0.739,37.794 0.566,37.534 0.306,37.361 0,37.3
  Bottom Copper region: 0,39.84 -2.397,39.838 -2.397,41.438 0,41.44 0.306,41.379 0.566,41.206 0.739,40.946 0.8,40.64 0.8,40.64 0.739,40.334 0.566,40.074 0.306,39.901 0,39.84
  Bottom Copper region: 0,42.38 -2.397,42.378 -2.397,43.978 0,43.98 0.306,43.919 0.566,43.746 0.739,43.486 0.8,43.18 0.8,43.18 0.739,42.874 0.566,42.614 0.306,42.441 0,42.38
  Bottom Copper region: 0,44.92 -2.397,44.918 -2.397,46.518 0,46.52 0.306,46.459 0.566,46.286 0.739,46.026 0.8,45.72 0.8,45.72 0.739,45.414 0.566,45.154 0.306,44.981 0,44.92
  Bottom Copper region: 17.78,16.04 20.177,16.042 20.177,14.442 17.78,14.44 17.474,14.501 17.214,14.674 17.041,14.934 16.98,15.24 16.98,15.24 17.041,15.546 17.214,15.806 17.474,15.979 17.78,16.04
  Bottom Copper region: 17.78,18.58 20.177,18.582 20.177,16.982 17.78,16.98 17.474,17.041 17.214,17.214 17.041,17.474 16.98,17.78 16.98,17.78 17.041,18.086 17.214,18.346 17.474,18.519 17.78,18.58
  Bottom Copper region: 17.78,21.12 20.177,21.122 20.177,19.522 17.78,19.52 17.474,19.581 17.214,19.754 17.041,20.014 16.98,20.32 16.98,20.32 17.041,20.626 17.214,20.886 17.474,21.059 17.78,21.12
  Bottom Copper region: 17.78,23.66 20.177,23.662 20.177,22.062 17.78,22.06 17.474,22.121 17.214,22.294 17.041,22.554 16.98,22.86 16.98,22.86 17.041,23.166 17.214,23.426 17.474,23.599 17.78,23.66
  Bottom Copper region: 17.78,26.2 20.177,26.202 20.177,24.602 17.78,24.6 17.474,24.661 17.214,24.834 17.041,25.094 16.98,25.4 16.98,25.4 17.041,25.706 17.214,25.966 17.474,26.139 17.78,26.2
  Bottom Copper region: 17.78,28.74 20.177,28.742 20.177,27.142 17.78,27.14 17.474,27.201 17.214,27.374 17.041,27.634 16.98,27.94 16.98,27.94 17.041,28.246 17.214,28.506 17.474,28.679 17.78,28.74
  Bottom Copper region: 17.78,31.28 20.177,31.282 20.177,29.682 17.78,29.68 17.474,29.741 17.214,29.914 17.041,30.174 16.98,30.48 16.98,30.48 17.041,30.786 17.214,31.046 17.474,31.219 17.78,31.28
  Bottom Copper region: 17.78,33.82 20.177,33.822 20.177,32.222 17.78,32.22 17.474,32.281 17.214,32.454 17.041,32.714 16.98,33.02 16.98,33.02 17.041,33.326 17.214,33.586 17.474,33.759 17.78,33.82
  Bottom Copper region: 17.78,36.36 20.177,36.362 20.177,34.762 17.78,34.76 17.474,34.821 17.214,34.994 17.041,35.254 16.98,35.56 16.98,35.56 17.041,35.866 17.214,36.126 17.474,36.299 17.78,36.36
  Bottom Copper region: 17.78,41.44 20.177,41.442 20.177,39.842 17.78,39.84 17.474,39.901 17.214,40.074 17.041,40.334 16.98,40.64 16.98,40.64 17.041,40.946 17.214,41.206 17.474,41.379 17.78,41.44
  Bottom Copper region: 17.78,43.98 20.177,43.982 20.177,42.382 17.78,42.38 17.474,42.441 17.214,42.614 17.041,42.874 16.98,43.18 16.98,43.18 17.041,43.486 17.214,43.746 17.474,43.919 17.78,43.98
  Bottom Copper region: 17.78,46.52 20.177,46.522 20.177,44.922 17.78,44.92 17.474,44.981 17.214,45.154 17.041,45.414 16.98,45.72 16.98,45.72 17.041,46.026 17.214,46.286 17.474,46.459 17.78,46.52
  Bottom Copper region: 17.78,49.06 20.177,49.062 20.177,47.462 17.78,47.46 17.474,47.521 17.214,47.694 17.041,47.954 16.98,48.26 16.98,48.26 17.041,48.566 17.214,48.826 17.474,48.999 17.78,49.06
  Bottom Copper region: 17.78,0.8 20.177,0.802 20.177,-0.798 17.78,-0.8 17.474,-0.739 17.214,-0.566 17.041,-0.306 16.98,0 16.98,0 17.041,0.306 17.214,0.566 17.474,0.739 17.78,0.8
  Bottom Copper region: 0,47.46 -2.397,47.458 -2.397,49.058 0,49.06 0.306,48.999 0.566,48.826 0.739,48.566 0.8,48.26 0.8,48.26 0.739,47.954 0.566,47.694 0.306,47.521 0,47.46
  Keep-Out Layer board cut-out: 15.893,-1.372 1.893,-1.372 1.893,7.628 15.893,7.628
  silkscreen extent -3.4,-1.37 19.39,49.63, body extent -1.61,-1.37 19.39,50.93, height 3.6
MOLX-22-28-4033_V [mm] "THD, 3-Leads, Body 7.62x2.49mm, Pitch 2.54mm"
  rect 1.55x1.55 hole 1.02: 1(-2.54,0)
  round 1.55 hole 1.02: 2(0,0) 3(2.54,0)
  silkscreen extent -4.59,-1.24 3.81,1.24, body extent -3.81,-1.24 3.81,1.24, height 8.38
MOLX-5033981892_V [mm] "CONN, 8-Leads, Body 14.05x13.2mm, Pitch 1.1mm"
  rrect20% 0.7x1.1 smd mask+0.05: 1(-2.38,6.27) 2(-1.28,6.27) 3(-0.18,6.27) 4(0.92,6.27) 5(2.02,6.27) 6(3.12,6.27) 7(4.22,6.27) 8(5.32,6.27)
  rrect20% 1.05x0.78 smd mask+0.05: 9(0.095,-6.27)
  rrect20% 0.9x0.93 smd mask+0.05: 10(-4.17,-6.195)
  rrect20% 0.86x2.8 smd mask+0.05: 11(6.4,5.77)
  rrect20% 0.7x3.3 smd mask+0.05: 12(6.48,-5.01)
  rrect25% 0.7x3.3 smd mask+0.05: 13(-6.48,-5.01)
  rrect20% 1.04x1.83 smd mask+0.05: 14(-6.21,6.255)
  Top Copper keep-out region: -3.22,-5.73 -2.67,-5.73 -2.67,-6.28 -3.22,-6.28
  Top Copper keep-out region: -5.235,-3.93 -4.685,-3.93 -4.685,-6.08 -5.235,-6.08
  Top Copper keep-out region: -6.83,1.77 -6.13,1.77 -6.13,-0.63 -6.83,-0.63
  Top Copper keep-out region: 6.83,4.191 6.83,-3.23 5.969,-3.23 5.969,-5.715 -0.635,-5.715 -0.635,-6.66 -1.73,-6.66 -1.73,-4.48 0.57,-4.48 0.57,-3.23 -3.82,-3.23 -3.82,-0.63 -3.17,-0.63 -3.17,4.191
  silkscreen extent -6.6,-6.38 6.6,7.5, body extent -6.55,-6.38 6.55,7.67, height 1.28
"New footprint 1"#1 [mm]
  round 1.6 hole 1.1: 1(-3.81,0) 2(-1.27,0) 3(1.27,0) 4(3.81,0)
  silkscreen extent -13.75,-25.8 13.75,2, body extent -13.32,-25.49 13.38,2.37, height 5.47
"New footprint 1"#2 [mm]
  rect 1.651x1.651 hole 0.889: 1(-11.43,8.89) 16(11.43,8.89)
  round 1.651 hole 0.889: 2(-11.43,6.35) 3(-11.43,3.81) 4(-11.43,1.27) 5(-11.43,-1.27) 6(-11.43,-3.81) 7(-11.43,-6.35) 8(-11.43,-8.89) 9(11.43,-8.89) 10(11.43,-6.35) 11(11.43,-3.81) 12(11.43,-1.27) 13(11.43,1.27) 14(11.43,3.81) 15(11.43,6.35)
  silkscreen extent -13.97,-15.24 13.97,14.84, body extent -12.62,-12.72 12.8,10.18, height 11.01
"New footprint 1"#3 [mm]
  round 0.3 smd paste-2539.97 mask+0: 1(0,0) 2(1.27,0)
  Top Copper lines w0.3: 0,0 1.27,0
ONSC-SOT-23-3-318-08_V [mm] "SOT23, 3-Leads, Body 2.92x1.3mm, Pitch 0.95mm"
  rect 0.9x0.8 smd: 1(-1,0.95) 2(-1,-0.95) 3(1,0)
  silkscreen extent -1.12,-1.46 0.65,2.02, body extent -1.28,-1.5 1.28,1.5, height 1.15
QFN40P410X410X60_HS-29N [mm] "QFN, 28-Leads, Body 4,10x4,10mm, Pitch 0,40mm, Thermal Pad 2,65x2,65mm, IPC Medium Density"
  oval 0.85x0.2 smd mask+0.05: 1(-1.975,1.2) 2(-1.975,0.8) 3(-1.975,0.4) 4(-1.975,0) 5(-1.975,-0.4) 6(-1.975,-0.8) 7(-1.975,-1.2) 15(1.975,-1.2) 16(1.975,-0.8) 17(1.975,-0.4) 18(1.975,0) 19(1.975,0.4) 20(1.975,0.8) 21(1.975,1.2)
  oval 0.2x0.85 smd mask+0.05: 8(-1.2,-1.975) 9(-0.8,-1.975) 10(-0.4,-1.975) 11(0,-1.975) 12(0.4,-1.975) 13(0.8,-1.975) 14(1.2,-1.975) 22(1.2,1.975) 23(0.8,1.975) 24(0.4,1.975) 25(0,1.975) 26(-0.4,1.975) 27(-0.8,1.975) 28(-1.2,1.975)
  rect 2.65x2.65 smd mask+0.05: 29(0,0)
  silkscreen extent -2.97,-2.2 2.2,2.2, body extent -2.07,-2.07 2.07,2.07, height 0.6
QFN50P300X250X81-14N [mm] "QFN, 14-Leads, Body 3,00x2,50mm, Pitch 0,50mm, IPC Medium Density"
  oval 0.95x0.25 smd mask+0.02: 1(-1.35,0.75) 2(-1.35,0.25) 3(-1.35,-0.25) 4(-1.35,-0.75) 8(1.35,-0.75) 9(1.35,-0.25) 10(1.35,0.25) 11(1.35,0.75)
  oval 0.25x0.95 smd mask+0.02: 5(-0.5,-1.1) 6(0,-1.1) 7(0.5,-1.1) 12(0.5,1.1) 13(0,1.1) 14(-0.5,1.1)
  silkscreen extent -2.45,-1.42 1.68,1.43, body extent -1.63,-1.38 1.63,1.38, height 0.81
QFN80P150X150X55-4N [mm] "QFN, 4-Leads, Body 1,50x1,50mm, Pitch 0,80mm, IPC Medium Density"
  rect 0.6x0.3 smd mask+0.05: 1(-0.7,0.4) 2(-0.7,-0.4) 3(0.7,-0.4) 4(0.7,0.4)
  silkscreen extent -1.25,-0.9 0.9,1.05, body extent -0.85,-0.75 0.85,0.76, height 0.55
RESC0603(1608)_L [mm] "Chip Resistor, Body 1.6x0.8mm, IPC High Density"
  rrect25% 0.66x0.76 smd: 1(-0.7,0) 2(0.7,0)
  silkscreen extent 0,-0.3 0,0.3, body extent -0.8,-0.4 0.8,0.4, height 0.45
SON50P130X60-8N [mm] "SON, 8-Leads, Body 2,20x1,30mm, Pitch 0,50mm, IPC Medium Density"
  rect 0.72x0.3 smd mask+0.05: 1(-0.86,0.75) 2(-0.86,0.25) 3(-0.86,-0.25) 4(-0.86,-0.75) 5(0.86,-0.75) 6(0.86,-0.25) 7(0.86,0.25) 8(0.86,0.75)
  silkscreen extent -1.1,-1.25 0.65,1.3, body extent -0.95,-1.06 0.95,1.06, height 0.55
SOT65P200X110-5N [mm] "SOT23, 5-Leads, Body 2,00x2,00mm, Pitch 0,65mm, IPC Medium Density"
  rect 0.8x0.4 smd mask+0.02: 1(-1.075,0.65) 2(-1.075,0) 3(-1.075,-0.65) 4(1.075,-0.65) 5(1.075,0.65)
  silkscreen extent -1.2,-1.1 0.3,1.52, body extent -1.2,-1.1 1.2,1.1, height 1.1
TECO-640456-2_V [mm] "HDR, 2-Leads, Body 5.715x5.08mm, Pitch 2.54mm"
  rect 1.8x1.8 hole 1.3: 1(1.27,0)
  round 1.8 hole 1.3: 2(-1.27,0)
  silkscreen extent -2.54,-2.54 3.26,3.17, body extent -2.54,-2.67 2.54,3.17, height 9.4
TECO-FSM4JSMA_V [mm] "SMD, 4-Leads, Body 6x6mm, Pitch 4.5mm"
  rect 1.4x2.1 smd: 1(2.25,4.55) 2(2.25,-4.55) 3(-2.25,4.55) 4(-2.25,-4.55)
  silkscreen extent -3,-3 3.62,4.67, body extent -3,-5 3,5, height 5.08
TP06R [mm] "Testpoint, round, d=0.6mm"
  round 0.6 smd paste-1: 1(0,0)